# Altium PCB CM4 to FMC Adapter r2.0.PcbDoc (part 3 of 3)
Units mm, origin at the board's own origin, x right, y up, seen from the top; angles counter-clockwise.
Board outline 85 x 84 mm, 4 copper layers (Top Layer, Int1 (GND), Int2 (PWR), Bottom Layer), stack 1.564 mm thick; 141 components, 131 nets, 748 pads, 674 vias.
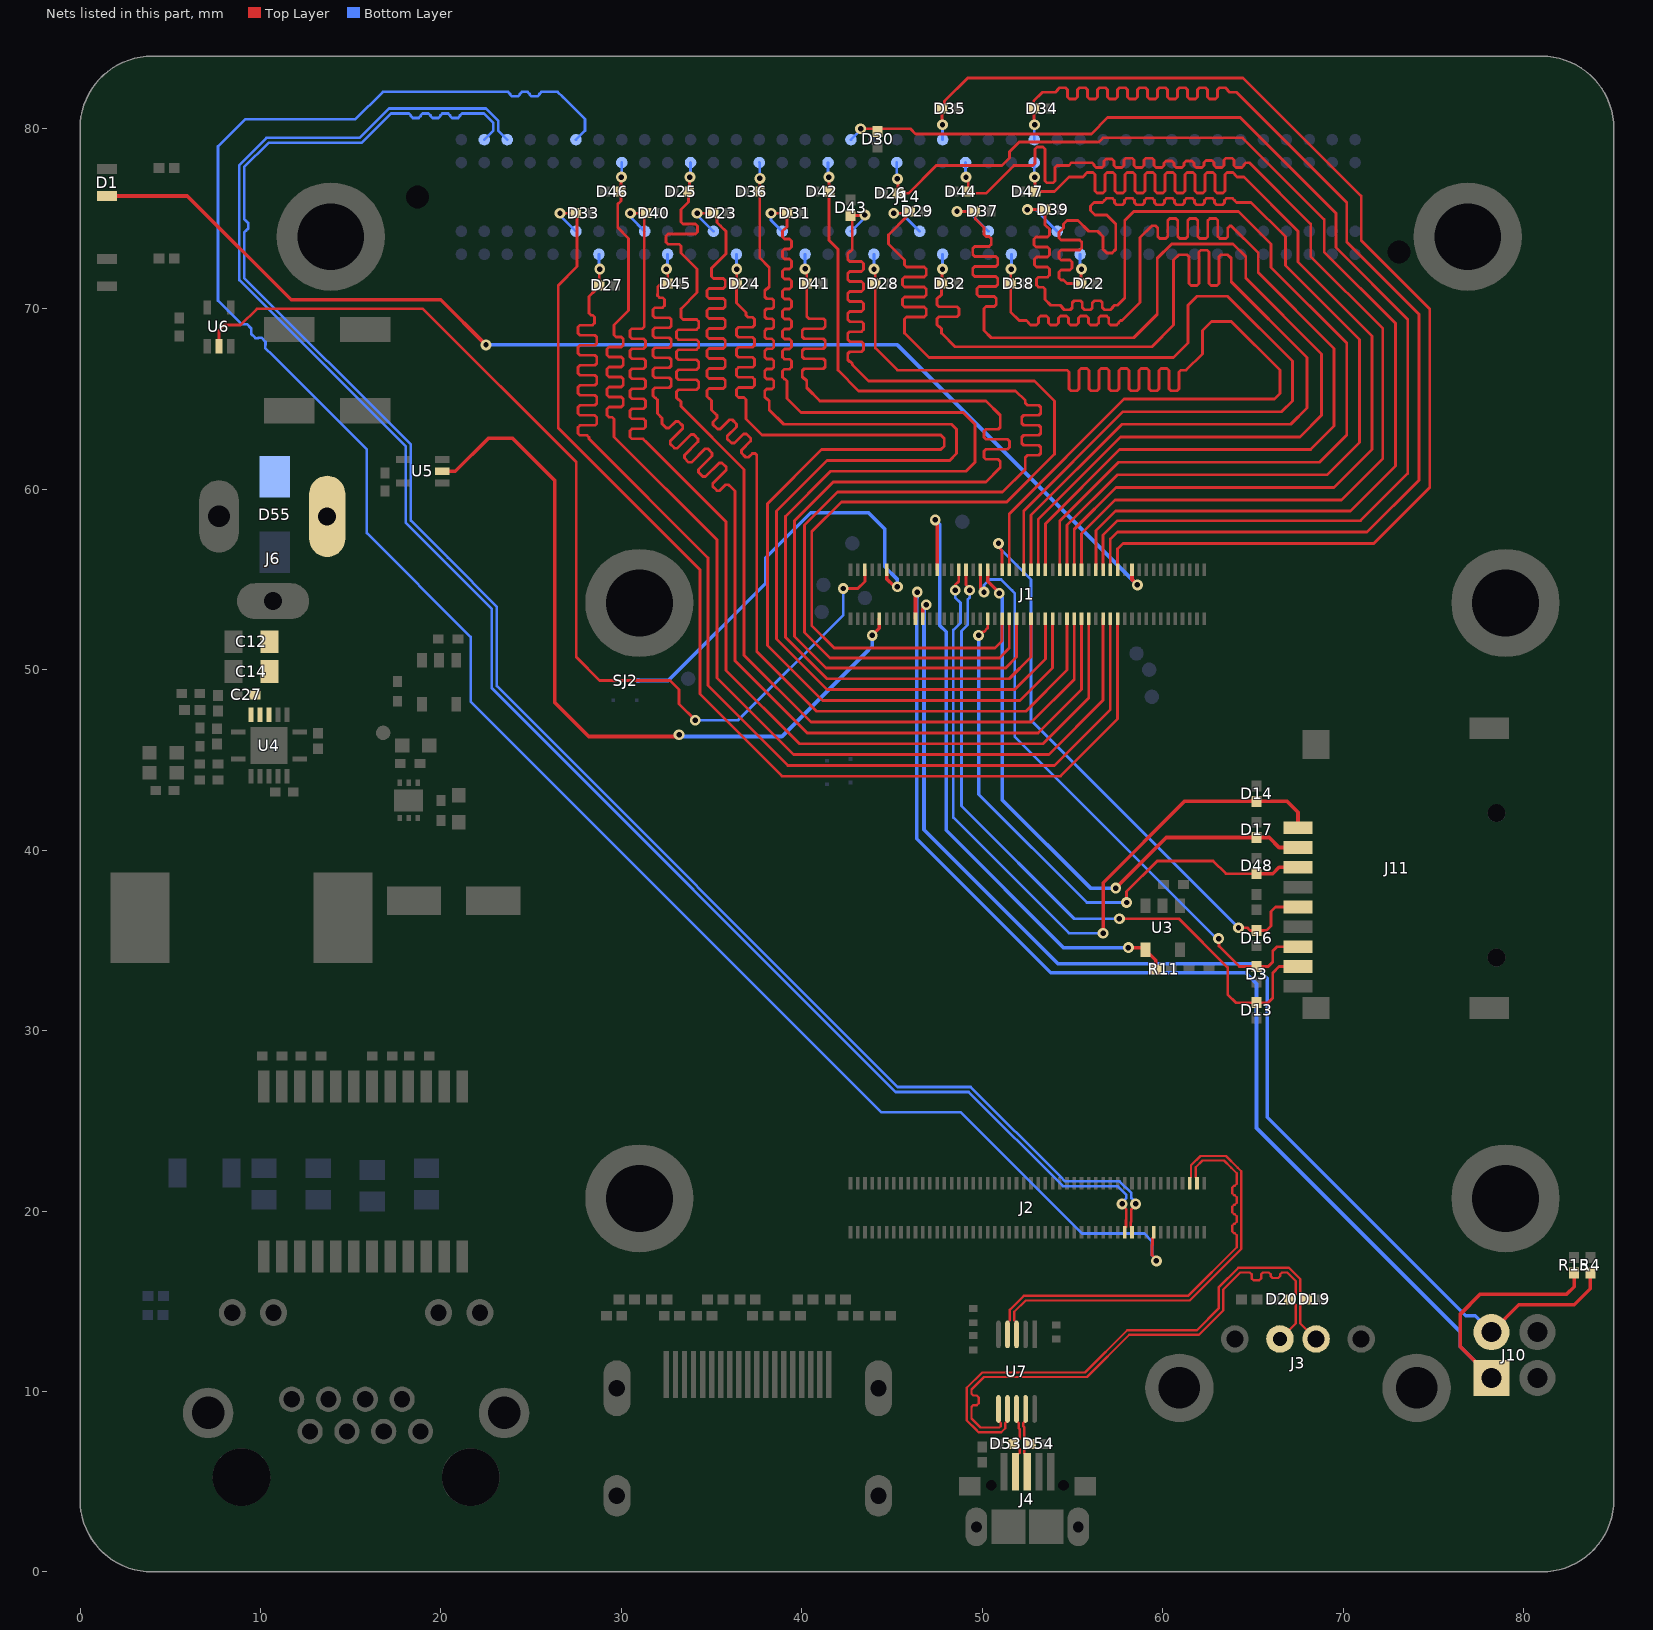
[diagram p5: the nets of this part, all layers, seen from the top]

## Via types
v1: diameter 0.6, hole 0.3, Top Layer to Bottom Layer, tented both sides, 673 vias
v2: diameter 0.6, hole 0.3, Top Layer to Bottom Layer, 1 vias

## Nets (pads, with @x,y where several pads share a name; then routed paths per layer and width w, separated by ;. In a path a pad name is that pad's centre, name@x,y a point inside that pad or via, vN(x,y) a via of type N, cw(c..) or ccw(c..) an arc to the next point about the centre after c; other vN are vias at no path point) (continued)
PCIe_RX_P: J2.116 J14.C6 | length 114.1
  Top Layer w0.146: J2.116@59.5,18.82 59.5,18.57 59.436,18.507 59.436,18.138 59.411,18.113 59.411,17.553 59.65,17.314 v1(59.65,17.24)
  Bottom Layer w0.146: J14.C6@27.485,79.375 27.984,79.874 27.984,80.517 26.95,81.55 26.763,81.737 26.473,82.027 26.187,82.027 25.575,82.027 25.466,81.918 25.466,81.886 25.357,81.777 25.029,81.777 24.92,81.886 24.92,81.918 24.811,82.027 24.483,82.027 24.374,81.918 24.374,81.886 24.265,81.777 23.937,81.777 23.828,81.886 23.828,81.918 23.719,82.027 23.1,82.027 16.78,82.027 15.253,80.5 9.15,80.5 7.65,79 7.65,70.45 8.2,69.9 8.95,69.15 9.104,69.15 9.259,69.15 9.49,68.919 9.49,68.764 9.49,68.61 9.722,68.378 9.876,68.378 9.895,68.397 10.05,68.397 10.282,68.166 10.282,68.011 10.262,67.992 10.262,67.838 10.7,67.4 15.9,62.2 15.9,57.573 21.65,51.823 21.65,48.236 44.413,25.473 48.813,25.473 55.531,18.756 58.981,18.756 59.411,18.325 59.411,17.553 59.65,17.314 v1(59.65,17.24)
PCIe_TX_N: J2.124 J14.C3 | length 101.1
  Top Layer w0.146: v1(57.75,20.4) 57.75,20.326 57.988,20.087 57.988,19.527 57.963,19.502 57.963,19.134 57.9,19.07 J2.124@57.9,18.82
  Bottom Layer w0.146: J14.C3@23.675,79.375 23.176,79.874 23.176,80.424 22.5,81.1 17.122,81.1 15.495,79.473 10.337,79.473 8.827,77.963 8.827,71.587 18.057,62.357 18.057,58.143 20,56.2 22.827,53.373 22.827,48.973 45.2,26.6 49.25,26.6 54.473,21.377 57.507,21.377 57.988,20.895 57.988,20.713 57.75,20.474 v1(57.75,20.4)
PCIe_TX_P: J2.122 J14.C2 | length 101.1
  Top Layer w0.146: J2.122@58.3,18.82 58.3,19.07 58.236,19.134 58.236,19.389 58.261,19.414 58.261,20.087 58.5,20.326 v1(58.5,20.4)
  Bottom Layer w0.146: J14.C2@22.405,79.375 22.904,79.874 22.904,80.31 22.387,80.827 21.4,80.827 21.171,80.827 21.061,80.718 21.061,80.686 20.952,80.577 20.625,80.577 20.515,80.686 20.515,80.718 20.406,80.827 20.079,80.827 19.969,80.718 19.969,80.686 19.86,80.577 19.533,80.577 19.423,80.686 19.423,80.718 19.314,80.827 18.987,80.827 18.877,80.718 18.877,80.686 18.768,80.577 18.441,80.577 18.331,80.686 18.331,80.718 18.222,80.827 17.603,80.827 17.235,80.827 15.608,79.2 10.45,79.2 9.1,77.85 9.1,76.6 9.1,74.983 9.209,74.874 9.318,74.765 9.318,74.437 9.209,74.328 9.1,74.219 9.1,73.6 9.1,71.7 18.33,62.47 18.33,58.256 20.381,56.206 23.1,53.486 23.1,49.086 45.313,26.873 49.363,26.873 54.331,21.906 54.586,21.65 57.62,21.65 58.261,21.009 58.261,20.713 58.5,20.474 v1(58.5,20.4)
PI_ACTIVITY: D1.1 J1.21 | length 67
  Top Layer w0.2: D1.1@1.5,76.25 5.95,76.25 11.7,70.5 20,70.5 v1(22.5,68) ; J1.21@58.3,55.55 58.3,55 v1(58.6,54.7)
  Bottom Layer w0.2: v1(22.5,68) 45.3,68 v1(58.6,54.7)
POWER_LED: J1.95 U6.2 | length 58.4
  Top Layer w0.15: U6.2@7.7,67.65 7.7,68.8 8,69.1 8.9,69.1 9.8,70 19,70 27.5,61.5 27.5,50.7 28.8,49.4 32.7,49.4 33.2,48.9 33.2,48.1 v1(34.1,47.2) ; v1(42.3,54.5) 43.1,54.5 43.5,54.9 J1.95@43.5,55.55
  Bottom Layer w0.15: v1(34.1,47.2) 36.47,47.2 42.3,53.03 v1(42.3,54.5)
RUN_PG: J1.92 U5.2 | length 42.5
  Top Layer w0.2: U5.2@20.075,61 20.8,61 22.617,62.817 23.983,62.817 26.3,60.5 26.3,48.2 28.2,46.3 33.1,46.3 v1(33.2,46.4) ; v1(43.9,51.9) 44.3,52.3 J1.92@44.3,52.82
  Bottom Layer w0.2: v1(33.2,46.4) 33.3,46.3 38.9,46.3 43.5,50.9 43.9,51.3 v1(43.9,51.9)
SA0: D40.1 J1.34 J14.G9 | length 65.7
  Top Layer w0.155: v1@30.625,75.425 v1(30.5,75.3) D40.1@31.375,75.3 31.275,75.2 31.275,69.685 31.275,69.01 31.164,68.899 30.584,68.899 30.473,68.788 30.473,68.455 30.584,68.344 31.235,68.344 31.346,68.233 31.346,67.9 31.235,67.789 30.584,67.789 30.473,67.678 30.473,67.345 30.584,67.234 31.235,67.234 31.346,67.123 31.346,66.79 31.235,66.679 30.584,66.679 30.473,66.568 30.473,66.235 30.584,66.124 31.235,66.124 31.346,66.013 31.346,65.68 31.235,65.569 30.584,65.569 30.473,65.458 30.473,65.125 30.584,65.014 31.235,65.014 31.346,64.903 31.346,64.57 31.235,64.459 30.584,64.459 30.473,64.348 30.473,64.015 30.584,63.904 31.235,63.904 31.346,63.793 31.346,63.46 31.235,63.349 30.584,63.349 30.473,63.238 30.473,62.905 30.584,62.794 31.206,62.794 31.394,62.606 35.8,58.2 35.8,49.965 39.865,45.9 53.373,45.9 55.9,48.427 J1.34@55.9,52.82
  Bottom Layer w0.155: v1(30.5,75.3) 30.5,75.09 J14.G9@31.295,74.295
SA1: D41.1 J1.54 J14.H16 | length 67
  Top Layer w0.155: v1(40.185,72.215) 40.275,72.125 D41.1@40.275,71.4 40.275,69.997 40.275,69.566 40.386,69.455 41.189,69.455 41.3,69.344 41.3,69.011 41.189,68.9 40.136,68.9 40.025,68.789 40.025,68.456 40.136,68.345 41.189,68.345 41.3,68.234 41.3,67.901 41.189,67.79 40.136,67.79 40.025,67.679 40.025,67.346 40.136,67.235 41.189,67.235 41.3,67.124 41.3,66.791 41.189,66.68 40.136,66.68 40.025,66.569 40.025,66.236 40.136,66.125 40.164,66.125 40.275,66.014 40.275,65.936 40.275,65.625 41,64.9 50.2,64.9 51,64.1 51,63.8 51,63.436 50.889,63.325 50.203,63.325 50.092,63.214 50.092,62.881 50.203,62.77 51.392,62.77 51.503,62.659 51.503,62.326 51.392,62.215 50.203,62.215 50.092,62.104 50.092,61.771 50.203,61.66 50.889,61.66 51,61.549 51,61.471 51,61.2 50.2,60.4 41.744,60.4 39.6,58.256 39.6,51.844 41.344,50.1 51.3,50.1 51.9,50.7 J1.54@51.9,52.82
  Bottom Layer w0.155: v1(40.185,72.215) J14.H16@40.185,73.025
SA2: D42.1 J1.56 J14.D17 | length 65
  Top Layer w0.155: v1@41.5,77.25 D42.1@41.5,76.475 ; D42.1@41.525,76.5 D42.1@41.5,76.475 ; J1.56@51.5,52.82 51.5,51.2 50.95,50.65 41.572,50.65 40.15,52.072 40.15,58.028 41.972,59.85 51.128,59.85 52.389,61.111 52.389,61.139 52.389,61.217 52.389,61.772 52.5,61.883 53.129,61.883 53.24,61.994 53.24,62.327 53.129,62.438 52.298,62.438 52.187,62.549 52.187,62.882 52.298,62.993 53.129,62.993 53.24,63.104 53.24,63.437 53.129,63.548 52.298,63.548 52.187,63.659 52.187,63.992 52.298,64.103 53.129,64.103 53.24,64.214 53.24,64.547 53.129,64.658 52.498,64.658 52.387,64.769 52.387,64.835 52.387,64.913 51.85,65.45 43.15,65.45 42,66.6 42,73.3 41.5,73.8 D42.1@41.5,76.475
  Bottom Layer w0.155: J14.D17@41.455,78.105 41.455,77.345 v1(41.5,77.3)
SA3: D43.1 J1.58 J14.G18 | length 65.7
  Top Layer w0.155: D43.1@42.7,75.175 D43.1@42.8,75.175 ; v1@43.475,75.175 D43.1@42.8,75.175 ; J1.58@51.1,52.82 51.1,51.6 50.7,51.2 41.8,51.2 40.548,52.452 40.548,57.648 42.2,59.3 51.356,59.3 54,61.944 54,64.9 52.9,66 43.7,66 42.82,66.88 42.8,66.9 42.8,66.958 42.689,67.069 42.661,67.069 42.55,67.18 42.55,67.513 42.661,67.624 43.303,67.624 43.414,67.735 43.414,68.068 43.303,68.179 42.661,68.179 42.55,68.29 42.55,68.623 42.661,68.734 43.303,68.734 43.414,68.845 43.414,69.178 43.303,69.289 42.661,69.289 42.55,69.4 42.55,69.733 42.661,69.844 43.303,69.844 43.414,69.955 43.414,70.288 43.303,70.399 42.661,70.399 42.55,70.51 42.55,70.843 42.661,70.954 43.303,70.954 43.414,71.065 43.414,71.398 43.303,71.509 42.661,71.509 42.55,71.62 42.55,71.953 42.661,72.064 43.303,72.064 43.414,72.175 43.414,72.508 43.303,72.619 42.661,72.619 42.55,72.73 42.55,73.063 42.661,73.174 42.689,73.174 42.8,73.285 42.8,73.4 D43.1@42.8,75.175
  Bottom Layer w0.155: J14.G18@42.725,74.295 43.5,75.07 v1(43.5,75.2)
SA4: D44.1 J1.35 J14.D23 | length 66.3
  Top Layer w0.155: v1(49.1,77.3) 49.225,77.175 D44.1@49.225,76.5 ; D44.1@49.125,76.4 50.2,76.4 51.75,77.95 52.736,77.95 52.814,77.95 52.925,78.061 52.925,78.857 53.036,78.968 53.369,78.968 53.48,78.857 53.48,77.094 53.591,76.983 53.924,76.983 54.035,77.094 54.035,77.839 54.146,77.95 54.605,77.95 54.8,77.95 54.95,78.1 55.444,78.1 56.076,78.1 56.187,77.989 56.187,77.938 56.298,77.827 56.631,77.827 56.742,77.938 56.742,78.185 56.853,78.295 57.186,78.295 57.297,78.185 57.297,77.938 57.408,77.827 57.741,77.827 57.852,77.938 57.852,78.239 57.963,78.35 58.296,78.35 58.407,78.239 58.407,77.938 58.518,77.827 58.851,77.827 58.962,77.938 58.962,78.239 59.073,78.35 59.406,78.35 59.517,78.239 59.517,77.938 59.628,77.827 59.961,77.827 60.072,77.938 60.072,78.085 60.183,78.196 60.516,78.196 60.627,78.085 60.627,77.938 60.738,77.827 61.071,77.827 61.182,77.938 61.182,78.085 61.293,78.196 61.626,78.196 61.737,78.085 61.737,77.938 61.848,77.827 62.181,77.827 62.292,77.938 62.292,78.115 62.403,78.226 62.736,78.226 62.847,78.115 62.847,77.938 62.958,77.827 63.291,77.827 63.402,77.938 63.402,78.239 63.513,78.35 63.846,78.35 63.957,78.239 63.957,77.938 64.068,77.827 64.401,77.827 64.512,77.938 64.512,77.989 64.623,78.1 64.713,78.1 64.8,78.1 68.2,74.7 68.2,72.9 72.2,68.9 72.2,61.7 69.9,59.4 57.354,59.4 55.5,57.545 J1.35@55.5,55.55
  Bottom Layer w0.155: J14.D23@49.075,78.105 49.075,77.325 v1(49.1,77.3)
SA5: D45.1 J1.36 J14.H10 | length 67.8
  Top Layer w0.155: v1@32.575,72.125 D45.1@32.575,71.4 32.508,71.333 32.133,71.333 32.023,71.223 32.023,70.848 32,70.825 32,70.729 32.111,70.618 32.285,70.618 32.396,70.507 32.396,70.174 32.285,70.063 31.861,70.063 31.75,69.952 31.75,69.619 31.861,69.508 32.658,69.508 32.769,69.397 32.769,69.064 32.658,68.953 31.861,68.953 31.75,68.842 31.75,68.509 31.861,68.398 32.657,68.398 32.768,68.287 32.768,67.954 32.657,67.843 31.861,67.843 31.75,67.732 31.75,67.399 31.861,67.288 32.657,67.288 32.768,67.177 32.768,66.844 32.657,66.733 31.861,66.733 31.75,66.622 31.75,66.289 31.861,66.178 32.657,66.178 32.768,66.067 32.768,65.734 32.657,65.623 31.861,65.623 31.75,65.512 31.75,65.179 31.861,65.068 31.889,65.068 32,64.957 32,64.88 32,64.2 32.161,64.039 32.256,63.944 32.256,63.787 32.256,63.63 32.492,63.394 32.649,63.394 33.012,63.758 33.169,63.758 33.405,63.523 33.405,63.366 32.709,62.67 32.709,62.513 32.945,62.278 33.102,62.278 33.855,63.031 34.012,63.031 34.247,62.795 34.247,62.638 33.494,61.885 33.494,61.728 33.73,61.493 33.887,61.493 34.64,62.246 34.796,62.246 35.032,62.01 35.032,61.853 34.279,61.1 34.279,60.943 34.515,60.708 34.671,60.708 35.424,61.461 35.581,61.461 35.817,61.225 35.817,61.068 35.064,60.315 35.064,60.158 35.299,59.923 35.456,59.923 35.788,60.255 35.945,60.255 36,60.2 36.3,59.9 36.3,50.5 40.3,46.5 53.1,46.5 55.5,48.9 J1.36@55.5,52.82
  Bottom Layer w0.155: v1(32.5,72.2) 32.565,72.265 J14.H10@32.565,73.025
SCL0: J1.80 J10.2 R4.1 | length 68.2
  Top Layer w0.2: J1.80@46.7,52.82 46.7,53.4 v1(46.9,53.6) ; J10.2@78.224,13.29 79.734,14.8 82.8,14.8 83.7,15.7 R4.1@83.7,16.575
  Bottom Layer w0.2: v1(46.9,53.6) 46.773,53.473 46.773,41.127 54.2,33.7 65,33.7 65.8,32.9 65.8,25.2 76.8,14.2 77.314,14.2 J10.2@78.224,13.29
SD0: D22.1 J1.39 J14.H28 | length 65.4
  Top Layer w0.155: J1.39@54.7,55.55 54.7,58.018 57.482,60.8 69.1,60.8 70.9,62.6 70.9,68.3 66.8,72.4 66.8,74 64.9,75.9 64.094,75.9 63.983,76.011 63.983,76.013 63.872,76.124 63.539,76.124 63.428,76.013 63.428,75.879 63.317,75.768 62.984,75.768 62.873,75.879 62.873,76.013 62.762,76.124 62.429,76.124 62.318,76.013 62.318,75.879 62.207,75.768 61.874,75.768 61.763,75.879 61.763,76.013 61.652,76.124 61.319,76.124 61.208,76.013 61.208,75.879 61.097,75.768 60.764,75.768 60.653,75.879 60.653,76.013 60.542,76.124 60.209,76.124 60.098,76.013 60.098,75.879 59.987,75.768 59.654,75.768 59.543,75.879 59.543,76.013 59.432,76.124 59.099,76.124 58.988,76.013 58.988,75.879 58.877,75.768 58.544,75.768 58.433,75.879 58.433,76.013 58.322,76.124 57.989,76.124 57.878,76.013 57.878,75.879 57.767,75.768 57.434,75.768 57.323,75.879 57.323,76.013 57.212,76.124 56.879,76.124 56.768,76.013 56.768,76.011 56.657,75.9 56.579,75.9 56.2,75.9 56,75.7 56,75.45 56.25,75.2 56.9,75.2 57.4,74.7 57.4,73.3 57.2,73.1 56.9,73.1 56.7,73.3 56.7,74 56.4,74.3 55.9,74.3 55.3,74.9 54.7,74.9 54.661,74.861 54.5,74.7 54.5,74.487 54.389,74.376 54.361,74.376 54.25,74.265 54.25,73.932 54.361,73.821 55.401,73.821 55.512,73.71 55.512,73.377 55.401,73.266 54.361,73.266 54.25,73.155 54.25,72.822 54.361,72.711 54.857,72.711 54.967,72.6 54.967,72.267 54.857,72.156 54.361,72.156 54.25,72.045 54.25,71.712 54.361,71.601 54.499,71.601 54.687,71.413 54.7,71.4 D22.1@55.475,71.4 v1@55.475,72.075
  Bottom Layer w0.155: J14.H28@55.425,73.025 55.425,72.125 v1(55.5,72.2)
SD1: D23.1 J1.40 J14.G12 | length 65
  Top Layer w0.155: v1(34.2,75.3) 35.1,75.3 35.297,75.102 35.297,74.788 35.486,74.6 35.5,74.6 35.8,74.3 35.8,73.05 35,72.25 35,72 35,71.795 35.111,71.684 35.649,71.684 35.76,71.573 35.76,71.24 35.649,71.129 34.861,71.129 34.75,71.018 34.75,70.685 34.861,70.574 35.649,70.574 35.76,70.463 35.76,70.13 35.649,70.019 34.861,70.019 34.75,69.908 34.75,69.575 34.861,69.464 35.649,69.464 35.76,69.353 35.76,69.02 35.649,68.909 34.861,68.909 34.75,68.798 34.75,68.465 34.861,68.354 35.649,68.354 35.76,68.243 35.76,67.91 35.649,67.799 34.861,67.799 34.75,67.688 34.75,67.355 34.861,67.244 35.649,67.244 35.76,67.133 35.76,66.8 35.649,66.689 34.861,66.689 34.75,66.578 34.75,66.245 34.861,66.134 35.649,66.134 35.76,66.023 35.76,65.69 35.649,65.579 34.861,65.579 34.75,65.468 34.75,65.135 34.861,65.024 34.889,65.024 35,64.913 35,64.835 35,64.4 35.2,64.2 35.298,64.102 35.298,63.945 35.087,63.734 35.087,63.577 35.322,63.342 35.479,63.342 35.99,63.852 36.147,63.852 36.382,63.617 36.382,63.46 35.872,62.949 35.872,62.792 36.107,62.557 36.264,62.557 36.775,63.067 36.932,63.067 37.167,62.832 37.167,62.675 36.657,62.164 36.657,62.007 36.892,61.772 37.049,61.772 37.26,61.983 37.417,61.983 37.472,61.928 37.5,61.9 37.5,51.023 40.823,47.7 52.415,47.7 54.7,49.984 J1.40@54.7,52.82
  Bottom Layer w0.155: v1(34.2,75.3) 34.2,75.2 J14.G12@35.105,74.295
SD2: D24.1 J1.44 J14.H13 | length 67.5
  Top Layer w0.155: v1(36.4,72.2) 36.4,71.525 36.375,71.5 D24.1@36.375,71.4 36.375,70.325 36.9,69.8 36.9,69.759 36.9,69.644 37.011,69.533 37.268,69.533 37.379,69.422 37.379,69.089 37.268,68.978 36.492,68.978 36.381,68.867 36.381,68.534 36.492,68.423 37.268,68.423 37.379,68.312 37.379,67.979 37.268,67.868 36.492,67.868 36.381,67.757 36.381,67.424 36.492,67.313 37.268,67.313 37.379,67.202 37.379,66.869 37.268,66.758 36.492,66.758 36.381,66.647 36.381,66.314 36.492,66.203 37.268,66.203 37.379,66.092 37.379,65.759 37.268,65.648 36.492,65.648 36.381,65.537 36.381,65.204 36.492,65.093 36.789,65.093 36.9,64.982 36.9,64.905 36.9,63.9 37.8,63 47.7,63 47.9,62.8 47.9,62.4 47.7,62.2 41.1,62.2 38.1,59.2 38.1,51.342 41.142,48.3 52.096,48.3 53.9,50.104 53.9,52.4 J1.44@53.9,52.82
  Bottom Layer w0.155: J14.H13@36.375,73.025 36.375,72.225 v1(36.4,72.2)
SD3: D25.1 J1.38 J14.D11 | length 65.6
  Top Layer w0.155: D25.1@33.725,76.5 33.725,75.925 33.3,75.5 33.3,75.2 33.3,74.805 33.411,74.694 34.114,74.694 34.225,74.583 34.225,74.25 34.114,74.139 32.592,74.139 32.481,74.028 32.481,73.695 32.592,73.584 33.189,73.584 33.3,73.473 33.3,73.395 33.3,73.1 34.2,72.2 34.2,70.9 33.3,70 33.3,69.6 33.3,69.512 33.411,69.401 34.175,69.401 34.286,69.29 34.286,68.957 34.175,68.846 33.161,68.846 33.05,68.735 33.05,68.402 33.161,68.291 34.175,68.291 34.286,68.18 34.286,67.847 34.175,67.736 33.161,67.736 33.05,67.625 33.05,67.292 33.161,67.181 34.175,67.181 34.286,67.07 34.286,66.737 34.175,66.626 33.161,66.626 33.05,66.515 33.05,66.182 33.161,66.071 34.175,66.071 34.286,65.96 34.286,65.627 34.175,65.516 33.161,65.516 33.05,65.405 33.05,65.072 33.161,64.961 33.189,64.961 33.3,64.85 33.3,64.772 33.3,64.6 36.8,61.1 36.8,50.804 40.504,47.1 52.735,47.1 55.1,49.465 J1.38@55.1,52.82 ; D25.1@33.775,76.5 v1@33.775,77.275
  Bottom Layer w0.155: v1@33.835,77.335 J14.D11@33.835,78.105
  other v1: 33.8,77.3
SD4: D26.1 J1.31 J14.D20 | length 64.2
  Top Layer w0.155: v1@45.325,77.175 D26.1@45.325,76.4 45.912,76.4 47.451,77.939 51.089,77.939 51.504,78.354 51.504,78.704 52.05,79.25 56.473,79.25 56.7,79.477 64.423,79.477 68.95,74.95 68.95,73.15 72.9,69.2 72.9,61.3 70.4,58.8 57.391,58.8 56.3,57.709 J1.31@56.3,55.55
  Bottom Layer w0.155: J14.D20@45.265,78.105 45.265,77.235 v1(45.3,77.2)
SD5: D27.1 J1.28 J14.H7 | length 67.8
  Top Layer w0.155: v1@28.775,72.175 28.775,71.5 D27.1@28.8,71.475 ; D27.1@28.8,71.275 28.725,71.275 28.553,71.102 28.553,71.027 28.2,70.675 28.2,70.625 28.2,69.76 28.311,69.649 28.409,69.649 28.52,69.538 28.52,69.205 28.409,69.094 27.708,69.094 27.597,68.983 27.597,68.65 27.708,68.539 28.53,68.539 28.641,68.428 28.641,68.095 28.53,67.984 27.708,67.984 27.597,67.873 27.597,67.54 27.708,67.429 28.53,67.429 28.641,67.318 28.641,66.985 28.53,66.874 27.708,66.874 27.597,66.763 27.597,66.43 27.708,66.319 28.53,66.319 28.641,66.208 28.641,65.875 28.53,65.764 27.708,65.764 27.597,65.653 27.597,65.32 27.708,65.209 28.53,65.209 28.641,65.098 28.641,64.765 28.53,64.654 27.708,64.654 27.597,64.543 27.597,64.21 27.708,64.099 28.53,64.099 28.641,63.988 28.641,63.655 28.53,63.544 27.708,63.544 27.597,63.433 27.597,63.1 27.708,62.989 28.089,62.989 28.2,62.878 28.2,62.8 34.8,56.2 34.8,49.127 39.227,44.7 54.012,44.7 57.1,47.788 J1.28@57.1,52.82
  Bottom Layer w0.155: J14.H7@28.755,73.025 28.755,72.245 v1(28.8,72.2)
SD6: D28.1 J1.55 J14.H19 | length 66.2
  Top Layer w0.155: v1@44.075,72.125 D28.1@44.075,71.4 44.075,67.825 45.3,66.6 53.7,66.6 54.695,66.6 54.806,66.489 54.806,65.572 54.917,65.461 55.25,65.461 55.361,65.572 55.361,66.58 55.472,66.691 55.805,66.691 55.916,66.58 55.916,65.572 56.027,65.461 56.36,65.461 56.471,65.572 56.471,66.58 56.582,66.691 56.915,66.691 57.026,66.58 57.026,65.572 57.137,65.461 57.47,65.461 57.581,65.572 57.581,66.58 57.692,66.691 58.025,66.691 58.136,66.58 58.136,65.572 58.247,65.461 58.58,65.461 58.691,65.572 58.691,66.58 58.802,66.691 59.135,66.691 59.246,66.58 59.246,65.572 59.357,65.461 59.69,65.461 59.801,65.572 59.801,66.58 59.912,66.691 60.245,66.691 60.356,66.58 60.356,65.572 60.467,65.461 60.8,65.461 60.911,65.572 60.911,66.489 61.022,66.6 61.1,66.6 61.3,66.6 62.2,67.5 62.2,68.8 62.7,69.3 63.8,69.3 66.5,66.6 66.5,65.3 66.2,65 57.863,65 51.5,58.637 J1.55@51.5,55.55
  Bottom Layer w0.155: J14.H19@43.995,73.025 43.995,72.205 v1(44,72.2)
SD7: D29.1 J1.51 J14.G21 | length 66
  Top Layer w0.155: v1(45.1,75.3) 45.875,75.3 D29.1@45.975,75.4 ; D29.1@45.875,75.175 44.8,74.1 44.8,73.6 45.7,72.7 45.7,72.632 45.7,72.426 45.811,72.315 46.782,72.315 46.893,72.204 46.893,71.871 46.782,71.76 45.698,71.76 45.587,71.649 45.587,71.316 45.698,71.205 46.782,71.205 46.893,71.094 46.893,70.761 46.782,70.65 45.698,70.65 45.587,70.539 45.587,70.206 45.698,70.095 46.782,70.095 46.893,69.984 46.893,69.651 46.782,69.54 45.811,69.54 45.7,69.429 45.7,68.796 45.7,68.65 47.05,67.3 60.6,67.3 61.4,68.1 61.4,70.2 61.9,70.7 63.6,70.7 67.2,67.1 67.2,64.9 66.6,64.3 57.8,64.3 52.3,58.8 J1.51@52.3,55.55
  Bottom Layer w0.155: v1(45.1,75.3) 45.53,75.3 J14.G21@46.535,74.295
SD8: D30.1 J1.29 J14.C18 | length 66.2
  Top Layer w0.155: v1(43.262,79.976) 46.024,79.976 46.304,79.695 56.046,79.695 56.95,80.6 64.3,80.6 69.6,75.3 69.6,73.4 73.577,69.423 73.577,60.877 70.96,58.26 57.487,58.26 56.7,57.473 J1.29@56.7,55.55 ; D30.1@44.2,79.825 D30.1@44.237,79.862
  Bottom Layer w0.155: J14.C18@42.725,79.375 43.262,79.912 v1(43.262,79.976)
SD9: D31.1 J1.50 J14.G15 | length 66.6
  Top Layer w0.155: v1(38.3,75.3) D31.1@39.175,75.3 39.175,75.083 39.175,74.537 39.064,74.426 39.036,74.426 38.925,74.315 38.925,73.982 39.036,73.871 39.314,73.871 39.425,73.76 39.425,73.427 39.314,73.316 39.036,73.316 38.925,73.205 38.925,72.872 39.036,72.761 39.314,72.761 39.425,72.65 39.425,72.317 39.314,72.206 39.036,72.206 38.925,72.095 38.925,71.762 39.036,71.651 39.314,71.651 39.425,71.54 39.425,71.207 39.314,71.096 39.036,71.096 38.925,70.985 38.925,70.652 39.036,70.541 39.314,70.541 39.425,70.43 39.425,70.097 39.314,69.986 39.036,69.986 38.925,69.875 38.925,69.542 39.036,69.431 39.314,69.431 39.425,69.32 39.425,68.987 39.314,68.876 39.036,68.876 38.925,68.765 38.925,68.432 39.036,68.321 39.314,68.321 39.425,68.21 39.425,67.877 39.314,67.766 39.036,67.766 38.925,67.655 38.925,67.322 39.036,67.211 39.314,67.211 39.425,67.1 39.425,66.767 39.314,66.656 39.036,66.656 38.925,66.545 38.925,66.212 39.036,66.101 39.064,66.101 39.175,65.99 39.175,65.912 39.175,65.025 39.95,64.25 48.95,64.25 49.6,63.6 49.6,61.5 49.1,61 41.6,61 39.1,58.5 39.1,51.8 41.4,49.5 51.5,49.5 52.7,50.7 J1.50@52.7,52.82
  Bottom Layer w0.155: v1(38.3,75.3) 38.3,74.91 J14.G15@38.915,74.295
SD10: D32.1 J1.49 J14.H22 | length 65.1
  Top Layer w0.155: v1@47.775,72.175 D32.1@47.775,71.4 47.75,71.375 47.75,71 47.75,70.78 47.639,70.669 47.611,70.669 47.5,70.558 47.5,70.225 47.611,70.114 48.597,70.114 48.708,70.003 48.708,69.67 48.597,69.559 47.611,69.559 47.5,69.448 47.5,69.115 47.611,69.004 47.639,69.004 47.75,68.893 47.75,68.816 47.75,68.65 48.5,67.9 59.4,67.9 60.6,69.1 60.6,72.7 60.9,73 61,73 61.346,73 61.457,72.889 61.457,71.396 61.568,71.285 61.901,71.285 62.012,71.396 62.012,73.139 62.123,73.25 62.456,73.25 62.567,73.139 62.567,71.396 62.678,71.285 63.011,71.285 63.122,71.396 63.122,72.889 63.233,73 63.311,73 63.6,73 63.8,72.8 63.8,71.5 68,67.3 68,64.5 67.1,63.6 57.736,63.6 52.7,58.564 J1.49@52.7,55.55
  Bottom Layer w0.155: v1(47.8,72.2) 47.805,72.205 J14.H22@47.805,73.025
SD11: D33.1 J1.26 J14.G6 | length 64.5
  Top Layer w0.155: v1(26.6,75.3) D33.1@27.475,75.3 27.55,75.225 27.55,72.35 26.5,71.3 26.5,63.4 34.359,55.541 34.359,48.649 38.908,44.1 54.331,44.1 57.5,47.269 J1.26@57.5,52.82
  Bottom Layer w0.155: v1(26.6,75.3) 26.6,75.18 J14.G6@27.485,74.295
SD12: D34.1 J1.27 J14.C26 | length 67.5
  Top Layer w0.155: v1(52.9,80.2) 52.875,80.225 D34.1@52.875,81.1 52.85,81.125 52.85,81.512 53.338,82 53.977,82 54.055,82 54.166,82.111 54.166,82.139 54.277,82.25 54.61,82.25 54.721,82.139 54.721,81.739 54.832,81.628 55.165,81.628 55.276,81.739 55.276,82.139 55.387,82.25 55.72,82.25 55.831,82.139 55.831,81.739 55.942,81.628 56.275,81.628 56.386,81.739 56.386,82.139 56.497,82.25 56.83,82.25 56.941,82.139 56.941,81.739 57.052,81.628 57.385,81.628 57.496,81.739 57.496,82.139 57.607,82.25 57.94,82.25 58.051,82.139 58.051,81.739 58.162,81.628 58.495,81.628 58.606,81.739 58.606,82.139 58.717,82.25 59.05,82.25 59.161,82.139 59.161,81.739 59.272,81.628 59.605,81.628 59.716,81.739 59.716,82.139 59.827,82.25 60.16,82.25 60.271,82.139 60.271,81.739 60.382,81.628 60.715,81.628 60.826,81.739 60.826,82.139 60.937,82.25 61.27,82.25 61.381,82.139 61.381,81.739 61.492,81.628 61.825,81.628 61.936,81.739 61.936,82.139 62.047,82.25 62.38,82.25 62.491,82.139 62.491,81.739 62.602,81.628 62.935,81.628 63.046,81.739 63.046,82.139 63.157,82.25 63.49,82.25 63.601,82.139 63.601,82.111 63.712,82 64.1,82 70.2,75.9 70.2,73.7 74.2,69.7 74.2,60.5 71.33,57.63 57.494,57.63 57.1,57.236 J1.27@57.1,55.55
  Bottom Layer w0.155: J14.C26@52.885,79.375 52.885,80.185 v1(52.9,80.2)
SD13: D35.1 J1.25 J14.C22 | length 66.1
  Top Layer w0.155: v1(47.8,80.2) 47.775,80.225 D35.1@47.775,81.1 47.917,81.242 47.917,81.517 49.2,82.8 64.45,82.8 71,76.25 71,73.8 74.8,70 74.8,60.1 71.7,57 57.8,57 57.5,56.7 J1.25@57.5,55.55
  Bottom Layer w0.155: v1(47.8,80.2) 47.805,80.195 J14.C22@47.805,79.375
SD14: D36.1 J1.46 J14.D14 | length 67.4
  Top Layer w0.155: v1(37.675,77.225) 37.675,72.825 38.2,72.3 38.2,71.6 38.2,71.223 38.089,71.112 38.061,71.112 37.95,71.002 37.95,70.668 38.061,70.557 38.339,70.557 38.45,70.447 38.45,70.113 38.339,70.002 38.061,70.002 37.95,69.892 37.95,69.558 38.061,69.447 38.339,69.447 38.45,69.337 38.45,69.003 38.339,68.892 38.061,68.892 37.95,68.782 37.95,68.448 38.061,68.337 38.339,68.337 38.45,68.227 38.45,67.893 38.339,67.782 38.061,67.782 37.95,67.672 37.95,67.338 38.061,67.227 38.339,67.227 38.45,67.117 38.45,66.783 38.339,66.672 38.061,66.672 37.95,66.562 37.95,66.228 38.061,66.117 38.339,66.117 38.45,66.006 38.45,65.673 38.339,65.562 38.061,65.562 37.95,65.451 37.95,65.118 38.061,65.007 38.089,65.007 38.2,64.896 38.2,64.819 38.2,64.4 39,63.6 48.3,63.6 48.577,63.323 48.577,61.977 48.2,61.6 41.4,61.6 38.6,58.8 38.6,51.7 41.4,48.9 51.8,48.9 53.5,50.6 J1.46@53.5,52.82
  Bottom Layer w0.155: J14.D14@37.645,78.105 37.675,78.075 v1(37.675,77.225)
SD15: D37.1 J1.47 J14.G24 | length 67.8
  Top Layer w0.155: v1(48.6,75.4) D37.1@49.575,75.4 49.617,75.358 49.617,74.983 50.1,74.5 50.1,74.2 50.1,74.122 50.211,74.011 50.385,74.011 50.495,73.9 50.495,73.567 50.385,73.456 49.583,73.456 49.472,73.345 49.472,73.012 49.583,72.901 50.748,72.901 50.859,72.79 50.859,72.457 50.748,72.346 49.583,72.346 49.472,72.235 49.472,71.902 49.583,71.791 50.748,71.791 50.859,71.68 50.859,71.347 50.748,71.236 49.815,71.236 49.705,71.125 49.705,70.792 49.815,70.681 50.665,70.681 50.776,70.57 50.776,70.237 50.665,70.126 50.211,70.126 50.1,70.015 50.1,68.85 50.1,68.8 50.5,68.4 58.4,68.4 59.7,69.7 59.7,72.8 60.5,73.6 63.9,73.6 64.6,72.9 64.6,71.7 68.8,67.5 68.8,64.1 67.6,62.9 57.672,62.9 53.1,58.327 J1.47@53.1,55.55
  Bottom Layer w0.155: v1(48.6,75.4) 49.24,75.4 J14.G24@50.345,74.295
SD16: D38.1 J1.45 J14.H25 | length 64.3
  Top Layer w0.155: v1@51.575,72.125 51.575,71.649 D38.1@51.575,71.4 51.575,70.825 51.575,69.825 52.05,69.35 52.09,69.35 52.455,69.35 52.566,69.239 52.566,69.211 52.677,69.1 53.01,69.1 53.121,69.211 53.121,69.489 53.232,69.6 53.565,69.6 53.676,69.489 53.676,69.211 53.787,69.1 54.12,69.1 54.231,69.211 54.231,69.489 54.342,69.6 54.675,69.6 54.786,69.489 54.786,69.211 54.897,69.1 55.23,69.1 55.341,69.211 55.341,69.489 55.452,69.6 55.785,69.6 55.896,69.489 55.896,69.211 56.007,69.1 56.34,69.1 56.451,69.211 56.451,69.489 56.562,69.6 56.895,69.6 57.006,69.489 57.006,69.211 57.117,69.1 57.45,69.1 57.561,69.211 57.561,69.239 57.672,69.35 57.75,69.35 58.75,70.35 58.75,73.95 59.379,74.579 59.4,74.6 59.615,74.6 59.726,74.489 59.726,74.008 59.837,73.897 60.17,73.897 60.281,74.008 60.281,74.9 60.392,75.011 60.725,75.011 60.836,74.9 60.836,74.008 60.947,73.897 61.28,73.897 61.391,74.008 61.391,74.9 61.502,75.011 61.835,75.011 61.946,74.9 61.946,74.008 62.057,73.897 62.39,73.897 62.501,74.008 62.501,74.9 62.612,75.011 62.945,75.011 63.056,74.9 63.056,74.008 63.167,73.897 63.5,73.897 63.611,74.008 63.611,74.489 63.722,74.6 63.8,74.6 65.3,73.1 65.3,72 69.5,67.8 69.5,63.5 68.2,62.2 57.609,62.2 53.5,58.091 J1.45@53.5,55.55
  Bottom Layer w0.155: v1(51.6,72.2) 51.615,72.215 J14.H25@51.615,73.025
SD17: D39.1 J1.41 J14.G27 | length 64.7
  Top Layer w0.155: v1(52.5,75.5) D39.1@53.475,75.5 53.475,74.8 53.475,74.641 53.586,74.53 53.614,74.53 53.725,74.419 53.725,74.086 53.614,73.975 52.981,73.975 52.87,73.864 52.87,73.531 52.981,73.42 53.614,73.42 53.725,73.309 53.725,72.976 53.614,72.865 53.015,72.865 52.904,72.754 52.904,72.421 53.015,72.31 53.614,72.31 53.725,72.199 53.725,71.866 53.614,71.755 53.124,71.755 53.013,71.644 53.013,71.311 53.124,71.2 53.364,71.2 53.475,71.089 53.475,71.011 53.475,70.525 53.8,70.2 53.888,70.2 54.325,70.2 54.436,70.089 54.436,70.061 54.547,69.95 54.88,69.95 54.991,70.061 54.991,70.339 55.102,70.45 55.435,70.45 55.546,70.339 55.546,70.061 55.657,69.95 55.99,69.95 56.101,70.061 56.101,70.339 56.212,70.45 56.545,70.45 56.656,70.339 56.656,70.061 56.767,69.95 57.1,69.95 57.211,70.061 57.211,70.089 57.322,70.2 57.4,70.2 57.5,70.2 57.9,70.6 57.9,74.9 58.4,75.4 64.2,75.4 66,73.6 66,72.3 70.2,68.1 70.2,63 68.7,61.5 57.545,61.5 54.3,58.255 J1.41@54.3,55.55
  Bottom Layer w0.155: v1(52.5,75.5) 52.95,75.5 J14.G27@54.155,74.295
SD_CLK: D16.1 J1.57 J11.5 | length 32.7
  Top Layer w0.15: v1(50.9,57) 50.9,56.8 51.1,56.6 J1.57@51.1,55.55 ; v1(64.2,35.7) 64.7,35.7 64.85,35.55 D16.1@65.2,35.55 65.75,35.55 66,35.8 66,36.6 66.25,36.85 J11.5@67.5,36.85
  Bottom Layer w0.15: v1(50.9,57) 50.9,56.8 52.7,55 52.7,54.937 52.698,54.935 52.698,54.519 52.7,54.517 52.7,54.21 52.698,54.208 52.698,53.792 52.7,53.79 52.7,47.2 v1(64.2,35.7)
SD_CMD: D48.1 J1.62 J11.3 | length 31.9
  Top Layer w0.15: v1(49.8,51.9) 50,52.1 50.1,52.1 50.3,52.3 J1.62@50.3,52.82 ; v1(58,37.1) 58,37.7 59.7,39.4 61.79,39.4 61.792,39.398 62.208,39.398 62.21,39.4 62.8,39.4 63.5,38.7 D48.1@65.2,38.7
  Top Layer w0.2: D48.1@65.2,38.7 66.1,38.7 66.45,39.05 J11.3@67.5,39.05
  Bottom Layer w0.15: 49.8,43.1 55.8,37.1 v1(58,37.1)
  Bottom Layer w0.2: 49.8,43.1 v1(49.8,51.9)
SD_DAT0: D3.1 J1.63 J11.7 | length 33.8
  Top Layer w0.15: J1.63@49.9,55.55 49.9,54.5 v1(50.1,54.3) ; v1(63.1,35.1) 63.121,35.079 63.121,34.679 64.25,33.55 D3.1@65.2,33.55 65.85,33.55 66.1,33.8 66.1,34.4 66.35,34.65 J11.7@67.5,34.65
  Bottom Layer w0.15: v1(50.1,54.3) 50.1,54.7 50.4,55 51.05,55 51.648,54.402 51.648,54.392 51.8,54.24 51.8,46.29 62.99,35.1 v1(63.1,35.1)
SD_DAT1: D13.1 J1.67 J11.8 | length 39.1
  Top Layer w0.15: J1.67@49.1,55.55 49.1,54.7 49.3,54.5 v1(49.3,54.4) 49.346,54.4 v1@49.373,54.373 ; v1(57.6,36.2) 60.9,36.2 63.6,33.5 63.6,32 64.05,31.55 D13.1@65.2,31.55 65.85,31.55 66.1,31.8 66.1,33.2 66.45,33.55 J11.8@67.5,33.55
  Bottom Layer w0.15: v1(49.3,54.4) 49.3,54.003 49.2,53.904 49.2,52.5 48.85,52.15 48.85,42.45 55.1,36.2 v1(57.6,36.2)
SD_DAT2: D14.1 J1.69 J11.1 | length 41.6
  Top Layer w0.15: v1(48.5,54.4) 48.5,54.7 48.7,54.9 J1.69@48.7,55.55
  Top Layer w0.2: v1(56.7,35.4) 56.7,38.2 61.2,42.7 D14.1@65.2,42.7 66.9,42.7 67.5,42.1 J11.1@67.5,41.25
  Bottom Layer w0.15: v1(48.5,54.4) 48.5,54.01 48.8,53.71 48.8,52.6 48.4,52.2 48.4,41.8 54.8,35.4 v1(56.7,35.4)
SD_DAT3: D17.1 J1.61 J11.2 | length 32.7
  Top Layer w0.2: J1.61@50.3,55.55 50.3,54.9 v1@50.8,54.4 ; v1(57.4,37.9) 59.6,40.1 60.2,40.7 D17.1@65.2,40.7 65.9,40.7 66.45,40.15 J11.2@67.5,40.15
  Bottom Layer w0.2: v1(50.94,54.24) 50.9,54.2 51.1,54 51.1,42.8 56,37.9 v1(57.4,37.9)
SD_PWR_ON: J1.75 R11.1 U3.4 | length 35.3
  Top Layer w0.2: v1(47.4,58.3) 47.5,58.2 J1.75@47.5,55.55 ; v1(58.1,34.6) 58.925,34.6 59.622,33.903 R11.1@59.622,33.397
  Bottom Layer w0.2: v1(47.4,58.3) 47.65,58.05 47.65,52.45 48,52.1 48,41.1 54.5,34.6 v1(58.1,34.6)
SDA0: J1.82 J10.1 R15.1 | length 76.6
  Top Layer w0.2: J1.82@46.3,52.82 46.3,54.2 v1(46.4,54.3) ; J10.1@78.224,10.75 76.5,12.474 76.5,14.3 77.6,15.4 82.4,15.4 82.8,15.8 R15.1@82.8,16.575
  Bottom Layer w0.2: v1(46.4,54.3) 46.4,54 46.373,53.973 46.373,40.627 53.8,33.2 64.6,33.2 65.2,32.6 65.2,24.6 76.5,13.3 76.5,12.474 J10.1@78.224,10.75
SOE/SE: D46.1 J1.30 J14.D8 | length 66.5
  Top Layer w0.155: v1@29.975,77.275 29.975,75.975 29.8,75.8 29.8,74.5 30.4,73.9 30.4,69.9 29.6,69.1 29.6,68.8 29.6,68.548 29.711,68.437 29.995,68.437 30.106,68.326 30.106,67.993 29.995,67.882 29.311,67.882 29.2,67.771 29.2,67.438 29.311,67.327 29.995,67.327 30.106,67.216 30.106,66.883 29.995,66.772 29.311,66.772 29.2,66.661 29.2,66.328 29.311,66.217 29.995,66.217 30.106,66.106 30.106,65.773 29.995,65.662 29.311,65.662 29.2,65.551 29.2,65.218 29.311,65.107 29.995,65.107 30.106,64.996 30.106,64.663 29.995,64.552 29.311,64.552 29.2,64.441 29.2,64.108 29.311,63.997 29.489,63.997 29.6,63.886 29.6,63.808 29.6,62.9 35.3,57.2 35.3,49.546 39.546,45.3 53.692,45.3 56.7,48.307 J1.30@56.7,52.82
  Bottom Layer w0.155: v1@30.025,77.325 J14.D8@30.025,78.105
  other v1: 30,77.3
SWE/SRW: D47.1 J1.37 J14.D26 | length 66.3
  Top Layer w0.155: v1@52.925,77.275 D47.1@52.925,76.5 54.013,76.5 54.813,77.3 55.501,77.3 55.578,77.3 55.689,77.411 55.689,77.439 55.8,77.55 56.133,77.55 56.244,77.439 56.244,76.534 56.355,76.423 56.688,76.423 56.799,76.534 56.799,77.439 56.91,77.55 57.243,77.55 57.354,77.439 57.354,76.534 57.465,76.423 57.798,76.423 57.909,76.534 57.909,77.439 58.02,77.55 58.353,77.55 58.464,77.439 58.464,76.534 58.575,76.423 58.908,76.423 59.019,76.534 59.019,77.439 59.13,77.55 59.463,77.55 59.574,77.439 59.574,76.534 59.685,76.423 60.018,76.423 60.129,76.534 60.129,77.439 60.24,77.55 60.573,77.55 60.684,77.439 60.684,76.534 60.795,76.423 61.128,76.423 61.239,76.534 61.239,77.439 61.35,77.55 61.683,77.55 61.794,77.439 61.794,76.534 61.905,76.423 62.238,76.423 62.349,76.534 62.349,77.439 62.46,77.55 62.793,77.55 62.904,77.439 62.904,76.534 63.015,76.423 63.348,76.423 63.459,76.534 63.459,77.439 63.57,77.55 63.903,77.55 64.014,77.439 64.014,77.411 64.125,77.3 64.425,77.3 64.5,77.3 67.5,74.3 67.5,72.6 71.6,68.5 71.6,62.2 69.5,60.1 57.418,60.1 55.1,57.782 J1.37@55.1,55.55
  Bottom Layer w0.155: J14.D26@52.885,78.105 52.885,77.315 v1(52.9,77.3)
USB_CM4Flash_N: D53.1 J4.2 U7.8 | length 4
  Top Layer w0.127: J4.2@51.85,5.55 51.85,6.4 51.987,6.536 51.999,6.536 52.073,6.611 52.073,6.814 51.999,6.889 51.937,6.889 D53.1@51.725,7.1 51.937,7.312 51.999,7.312 52.073,7.386 52.073,7.911 52.023,7.961 52.023,8.254 51.9,8.377 U7.8@51.9,9.033
USB_CM4Flash_P: D54.1 J4.3 U7.9 | length 4
  Top Layer w0.127: U7.9@52.4,9.033 52.4,8.377 52.277,8.254 52.277,8.066 52.327,8.016 52.327,7.386 52.401,7.312 52.463,7.312 D54.1@52.675,7.1 52.463,6.889 52.401,6.889 52.327,6.814 52.327,6.573 52.5,6.4 J4.3@52.5,5.55
USB_HOST_N: D20.1 J3.4 U7.6 | length 31.5
  Top Layer w0.127: U7.6@50.9,9.033 50.9,8.377 51.023,8.254 51.023,8.074 50.949,8 49.9,8 49.4,8.5 49.4,8.55 49.4,9.141 49.505,9.246 49.697,9.246 49.802,9.351 49.802,9.668 49.697,9.773 49.505,9.773 49.4,9.878 49.4,10.1 49.406,10.106 50.1,10.8 55.8,10.8 58.146,13.146 62.005,13.146 63.354,14.495 63.354,15.653 64.232,16.531 64.295,16.595 64.301,16.6 64.822,16.6 64.928,16.495 64.928,16.266 65.033,16.161 65.349,16.161 65.455,16.266 65.455,16.495 65.56,16.6 65.876,16.6 65.982,16.495 65.982,16.397 66.087,16.291 66.403,16.291 66.509,16.397 66.509,16.495 66.614,16.6 66.9,16.6 67.373,16.127 67.373,15.386 67.299,15.312 67.237,15.312 D20.1@67.025,15.1 67.237,14.888 67.299,14.888 67.373,14.814 67.373,13.878 67.373,13.773 66.51,12.91 J3.4@66.5,12.91
USB_HOST_P: D19.1 J3.3 U7.7 | length 31.6
  Top Layer w0.127: U7.7@51.4,9.033 51.4,8.377 51.277,8.254 51.277,7.969 51.054,7.746 49.795,7.746 49.651,7.89 49.146,8.395 49.146,10.205 49.995,11.054 55.695,11.054 58.041,13.4 61.9,13.4 63.1,14.6 63.1,15.758 64.196,16.854 67.005,16.854 67.08,16.78 67.627,16.232 67.627,15.386 67.701,15.312 67.763,15.312 D19.1@67.975,15.1 67.763,14.888 67.701,14.888 67.627,14.814 67.627,13.983 67.627,13.773 68.49,12.91 J3.3@68.5,12.91
USB_N: J2.103 U7.4 | length 23.9
  Top Layer w0.127: U7.4@51.4,13.167 51.4,13.823 51.523,13.946 51.523,14.523 52.3,15.3 61.4,15.3 64.1,18 64.1,18.6 64.1,18.664 63.995,18.769 63.955,18.769 63.85,18.874 63.85,19.191 63.955,19.296 63.995,19.296 64.1,19.401 64.1,19.718 63.995,19.823 63.955,19.823 63.85,19.928 63.85,20.245 63.955,20.35 63.995,20.35 64.1,20.455 64.1,20.772 63.995,20.877 63.955,20.877 63.85,20.982 63.85,21.299 63.955,21.404 63.995,21.404 64.1,21.509 64.1,22.066 64.1,22.1 63.8,22.4 63.4,22.8 62.2,22.8 61.827,22.427 61.827,21.873 61.9,21.8 J2.103@61.9,21.55
USB_P: J2.105 U7.3 | length 24
  Top Layer w0.127: U7.3@51.9,13.167 51.9,13.823 51.777,13.946 51.777,14.418 52.405,15.046 61.505,15.046 64.354,17.895 64.354,22.205 64.159,22.4 63.505,23.054 62.095,23.054 61.573,22.532 61.573,21.873 61.5,21.8 J2.105@61.5,21.55
VSYS: C12.2 C14.2 C27.2 D55.1 J6.1 U4.4 U4.5 U4.6
WL_DISABLE: J1.89 SJ2.1 | length 23.5
  Top Layer w0.2: J1.89@44.7,55.55 44.7,55.045 45.145,54.6 v1(45.3,54.6)
  Bottom Layer w0.2: SJ2.1@30.9,49.4 32.6,49.4 38,54.8 38,56.2 40.5,58.7 43.7,58.7 44.6,57.8 44.6,55.7 45.3,55 v1(45.3,54.6)
pads on no net: H1.1 H2.1 H3.1 H4.1 H5.1 H6.1 J1.19 J1.64 J1.68 J1.70 J1.72 J1.76 J2.104 J2.106 J2.111 J2.115 J2.117 J2.121 J2.123 J2.127 J2.128 J2.129 J2.130 J2.133 J2.134 J2.135 J2.136 J2.139 J2.140 J2.141 J2.142 J2.143 J2.145 J2.146 J2.147 J2.148 J2.149 J2.152 J2.154 J2.157 J2.158 J2.159 J2.160 J2.163 J2.164 J2.165 J2.166 J2.169 J2.171 J2.175 J2.177 J2.181 J2.183 J2.187 J2.189 J2.193 J2.194 J2.195 J2.196 J4.4 J4.MT J11.9 J11.MT J12.MT J14. J14.C11 J14.C15 J14.C19 J14.C23 J14.C27 J14.C35 J14.C37 J14.C39 J14.D1 J14.D9 J14.D12 J14.D15 J14.D18 J14.D21 J14.D24 J14.D27 J14.D29 J14.D30 J14.D31 J14.D32 J14.D33 J14.D34 J14.D35 J14.D36 J14.D38 J14.D40 J14.G2 J14.G3 J14.G7 J14.G10 J14.G13 J14.G16 J14.G19 J14.G22 J14.G25 J14.G28 J14.G30 J14.G31 J14.G33 J14.G34 J14.G36 J14.G37 J14.G39 J14.H1 J14.H2 J14.H4 J14.H5 J14.H8 J14.H11 J14.H14 J14.H17 J14.H20 J14.H23 J14.H26 J14.H29 J14.H31 J14.H32 J14.H34 J14.H35 J14.H37 J14.H38 J14.H40 U1.3 U2.4 U3.3 U4.10 U4.14 U5.1 U6.1

## Polygon pours and split planes (outlines as drawn)
5V_SYS on Top Layer "NONET_L-01_P-001" (solid, pour order 51): 17.4,60.3 17.5,60.4 18.8,60.4 19.3,59.9 20.8,59.9 22.2,61.3 24.7,61.3 25.6,60.4 25.6,53.6 24.5,52.5 18.6,52.5 17,50.9 17,44.3 14.2,44.3 14,44.5 14,50.6 15.5,52.1 15.5,59.1 16.6,60.2 16.7,60.3
GND on Top Layer "NONET_L-01_P-001" (solid, pour order 48): 18.6,52.1 20.1,52.1 20.2,52 20.2,49.2 20,49 17.4,49 17.3,49.1 17.3,50.8
GND on Top Layer "NONET_L-01_P-001" (solid, pour order 56): 72,27.8 70,25.8 70,11.2 69.3,10.5 47,10.5 28.5,10.5 28,10 28,1.3 27.2,0.5 81,0.5 ccw(c81,4) 84.5,4 84.5,9 84.5,27.8
GND on Top Layer "NONET_L-01_P-001" (solid, pour order 54): 0.5,80.1 cw(c4,80.1) 4,83.6 45.8,83.6 42,79.8 1.8,79.8 0.5,78.5 0.5,79.8
GND on Top Layer "NONET_L-01_P-001" (solid, pour order 55): 64.9,83.6 81,83.6 cw(c81,80.099) 84.5,80 84.5,15.8 76.8,15.8 75,14 71,14 69,16 69,53 75.5,59.5 75.5,70.5 71.5,74.5 71.5,77
GND on Top Layer "NONET_L-01_P-001" (solid, pour order 49): 19.5,38.7 20,38.2 20,36.2 19.5,35.7 17.5,35.7 17,36.2 17,38.2 17.5,38.7
VSYS on Top Layer "NONET_L-01_P-001" (solid, pour order 47): 9.4,49.9 10,50.5 10,52.2 12.2,52.2 13,53 13,55.2 12.7,55.5 12.7,59 14.7,59 14.7,52.2 10.6,48.1 10.6,47.5 9.4,47.5
GND on Top Layer "NONET_L-01_P-001" (solid, pour order 46): 9,52.2 6.7,52.2 6.1,51.6 6.1,49.9 6.7,49.3 7.1,49.3 7.4,49 7.4,48.4 9,48.4 9,49.3
+3V3 on Top Layer "GND_TOP1" (solid, remove dead copper, pour order 31): 60.6,35 60.6,34.1 60.2,33.7 60.2,32.099 ccw(c60.599,32.099) 60.599,31.7 61,31.7 61.431,31.7 ccw(c61.392,32.106) 61.8,32.1 61.803,33.698 61.3,34.1 61.3,35
GLOBAL_EN on Top Layer "GND_TOP1" (solid, pour order 41): 14.1,69.3 14.4,69.6 18.5,69.6 19,69.1 19,63.625 18.515,63.1 14.4,63.1 14.1,63.4
GND on Top Layer "GND_TOP1" (solid, remove dead copper, pour order 35): 16.9,43.4 18.5,43.4 18.5,45.1 18.5,46.4 18.8,46.7 21.02,46.7 21.6,46.217 21.6,42.7 21.3,42.4 19.3,42.4 19,42.1 16.9,42.1 16.6,42.4 16.6,43.175
GND on Top Layer "GND_TOP1" (solid, remove dead copper, pour order 34): 4.9,46 4.9,42.2 5.4,41.7 6.58,41.7 7,42.225 7,46.1 6.2,46.1 6.2,46.7 5.6,46.7
5V_SYS on Top Layer "GND_TOP1" (solid, remove dead copper, pour order 25): 16.2,48.6 17.8,48.6 21.1,48.6 21.2,48.5 21.2,47.7 21.1,47.6 18.5,47.6 18.3,47.4 18.3,46.2 18.3,43.6 16.9,43.6 16.2,44.3
NetC13_2 on Top Layer "GND_TOP1" (solid, remove dead copper, pour order 28): 10.25,44.6 11.2,44.6 11.2,40.45 12.9,38.75 16.25,38.75 16.25,33.75 12.95,33.75 10.25,36.45
5V_SYS on Top Layer "GND_TOP1" (solid, remove dead copper, pour order 23): 5,33.7 5,38.8 5,41.3 4.3,42 4.3,45.8 4.3,45.9 5.8,47.4 6.1,47.4 6.1,48.9 6,49 4.9,49 4.1,48.2 1.5,45.6 1.5,33.7
5V_VBUS_HDMI on Top Layer "GND_TOP1" (solid, remove dead copper, pour order 29): 18,42 21.5,42 22,41.5 22,39.3 21.5,38.8 19,38.8 18.9,38.8 18,39.7
5V_VBUS_USB on Top Layer "GND_TOP1" (solid, remove dead copper, pour order 38): 20.6,51.999 20.701,52.1 24.489,52.1 25.6,51.029 25.6,47.827 27.1,46.327 27.098,38.898 24.8,36.6 24.5,36.3 21.4,36.3 21.3,36.4 21.3,38.1 22,38.8 22.194,38.994 22.2,47.997 20.6,49.603 20.6,50.1
5V_SYS on Top Layer "GND_TOP1" (solid, remove dead copper, pour order 39): 44.95,55.9 44.95,55.15 47.2,55.15 47.2,55.3 47.2,55.925 46.7,56.375 46.7,57.8 46.4,58.1 45.493,58.1 45.25,57.839 45.25,56.5 45.25,56.15
NetS1_1 on Top Layer "GND_TOP1" (solid, pour order 42): 13,69.6 13.3,69.3 13.3,63.4 13,63.1 10.1,63.1 9.7,63.5 9.7,69.2 10.1,69.6
GND on Bottom Layer "NONET_L-01_P-001" (solid, pour order 60): 8.8,59.4 8.8,58.9 10,57.7 11.6,57.7 11.7,57.6 11.7,55.4 11.6,55.3 8.4,55.3 6.6,57.1 6.6,59.4
VSYS on Bottom Layer "NONET_L-01_P-001" (solid, pour order 59): 10,59.5 11.1,59.5 12.7,57.9 14.7,57.9 14.7,60.8 13.5,62 10,62 9.9,61.9 9.9,59.6
5V_SYS on Bottom Layer "NONET_L-01_P-001" (solid, pour order 53): 4.9,49 17,49 17.5,48.5 17.5,44.5 17,44 3.8,44 2.4,45.4 2.4,46.5
5V_SYS on Bottom Layer "NONET_L-01_P-001" (solid, pour order 52): 44.2,59.3 45.2,58.3 45.2,56.4 45.6,56 46.5,56 46.9,56.4 46.9,57.9 46.8,58 46.8,59.4 44.2,62 23.6,62 23,61.4 23,60.7 24.4,59.3
GND on Bottom Layer "NONET_L-01_P-001" (solid, pour order 45): 5.9,22.9 4.4,22.9 4.2,22.7 4.2,21.5 4.4,21.3 5.9,21.3
GND on Int1 (GND) "NONET_L-01_P-001" (solid, pour order 57): 0.5,80 cw(c4,80) 4,83.5 81,83.5 cw(c81,80) 84.5,80 84.5,4 cw(c81,4) 81,0.5 4,0.5 cw(c4,4) 0.5,4 0.5,13.5
GND on Int2 (PWR) "NONET_L-01_P-001" (solid, pour order 58): 0.5,80 cw(c4,80) 4,83.5 81,83.5 cw(c81,80) 84.5,80 84.5,4 cw(c81,4) 81,0.5 4,0.5 cw(c4,4) 0.5,4 0.5,13.5

## Silkscreen, mask and mechanical layers (free items; w line width, h text height)
Top Overlay:
  lines w0.22: 0.5,74.5 5.1,74.5
  text "Acty" at 2.8,78.4 h0.8 r270
  text "POWER" at 2.8,73.9 h0.8 r270
  text "CM4 Wake" at 17.8,69.4 h0.8 r270
  text "12V DC / Input" at 0.8,68.4 h0.8 r270
  text "CM4 Host" at 69.947,14.819 h1.5
  text "CM4 GBE" at 24.32,7.3 h1.5 r270
  text "CM4 HDMI" at 45.419,7.3 h1.5 r270
  text "CM4 Flash" at 56.819,7.3 h1.5 r270
  text "IO27" at 74.689,4.8 h0.8
  text "SCL" at 81.6,4.74 h0.8
  text "IO26" at 74.689,2.26 h0.8
  text "SDA" at 81.6,2.2 h0.8
Bottom Overlay:
  text "ONLY SET ONE!" at 47.785,52.547 h2.5 r90
  text "<WL disable" at 28.9,49.1 h2
  text "<nRPIBOOT" at 34.4,48.8 h2 r90
  text "GPIO Voltage" at 39.5,47.653 h2.5 r90
  text "<BT disable" at 28.8,47.4 h2
  text "<1.8V" at 41.9,42.924 h2 r90
  text "<3.3V" at 43.7,42.924 h2 r90
Top Solder:
  drawing of 7 lines, arcs and shapes, not listed
  text "CM4 to FMC Adapter r2.0" at 21,80.6 h2
Outline:
  lines w0.05: 0,4 ccw(c4,4) 4,0 81,0 ccw(c81,4) 85,4 85,70 85,80 ccw(c81,80) 81,84 4,84 ccw(c4,80) 0,80 0,70 0,4

## Text inside footprints (layer, text, board x,y; h text height)
C1: Top Overlay "+" at 21.4,38.45 h1.5
J6: Top Overlay "5.5mm Jack" at 2.95,54.8 h1.5 r90
J11: Top Overlay "Micro SD" at 73.7,33.65 h2 r90
J12: Top Overlay "G" at 20.43,11.9 h2; Top Overlay "Y" at 9,11.9 h2; Top Overlay "RJ45" at 13.35,12.25 h2
J13: Top Overlay "19" at 32.1,8.75 h1; Top Overlay "1" at 41.375,8.75 h1; Top Overlay "HDMI" at 34.85,7.95 h2
T1: Top Overlay "10/100/1000Base-T" at 9.882,21.735 h1.5